# Altium PCB PCB_Emergencia.PcbDoc (continued)
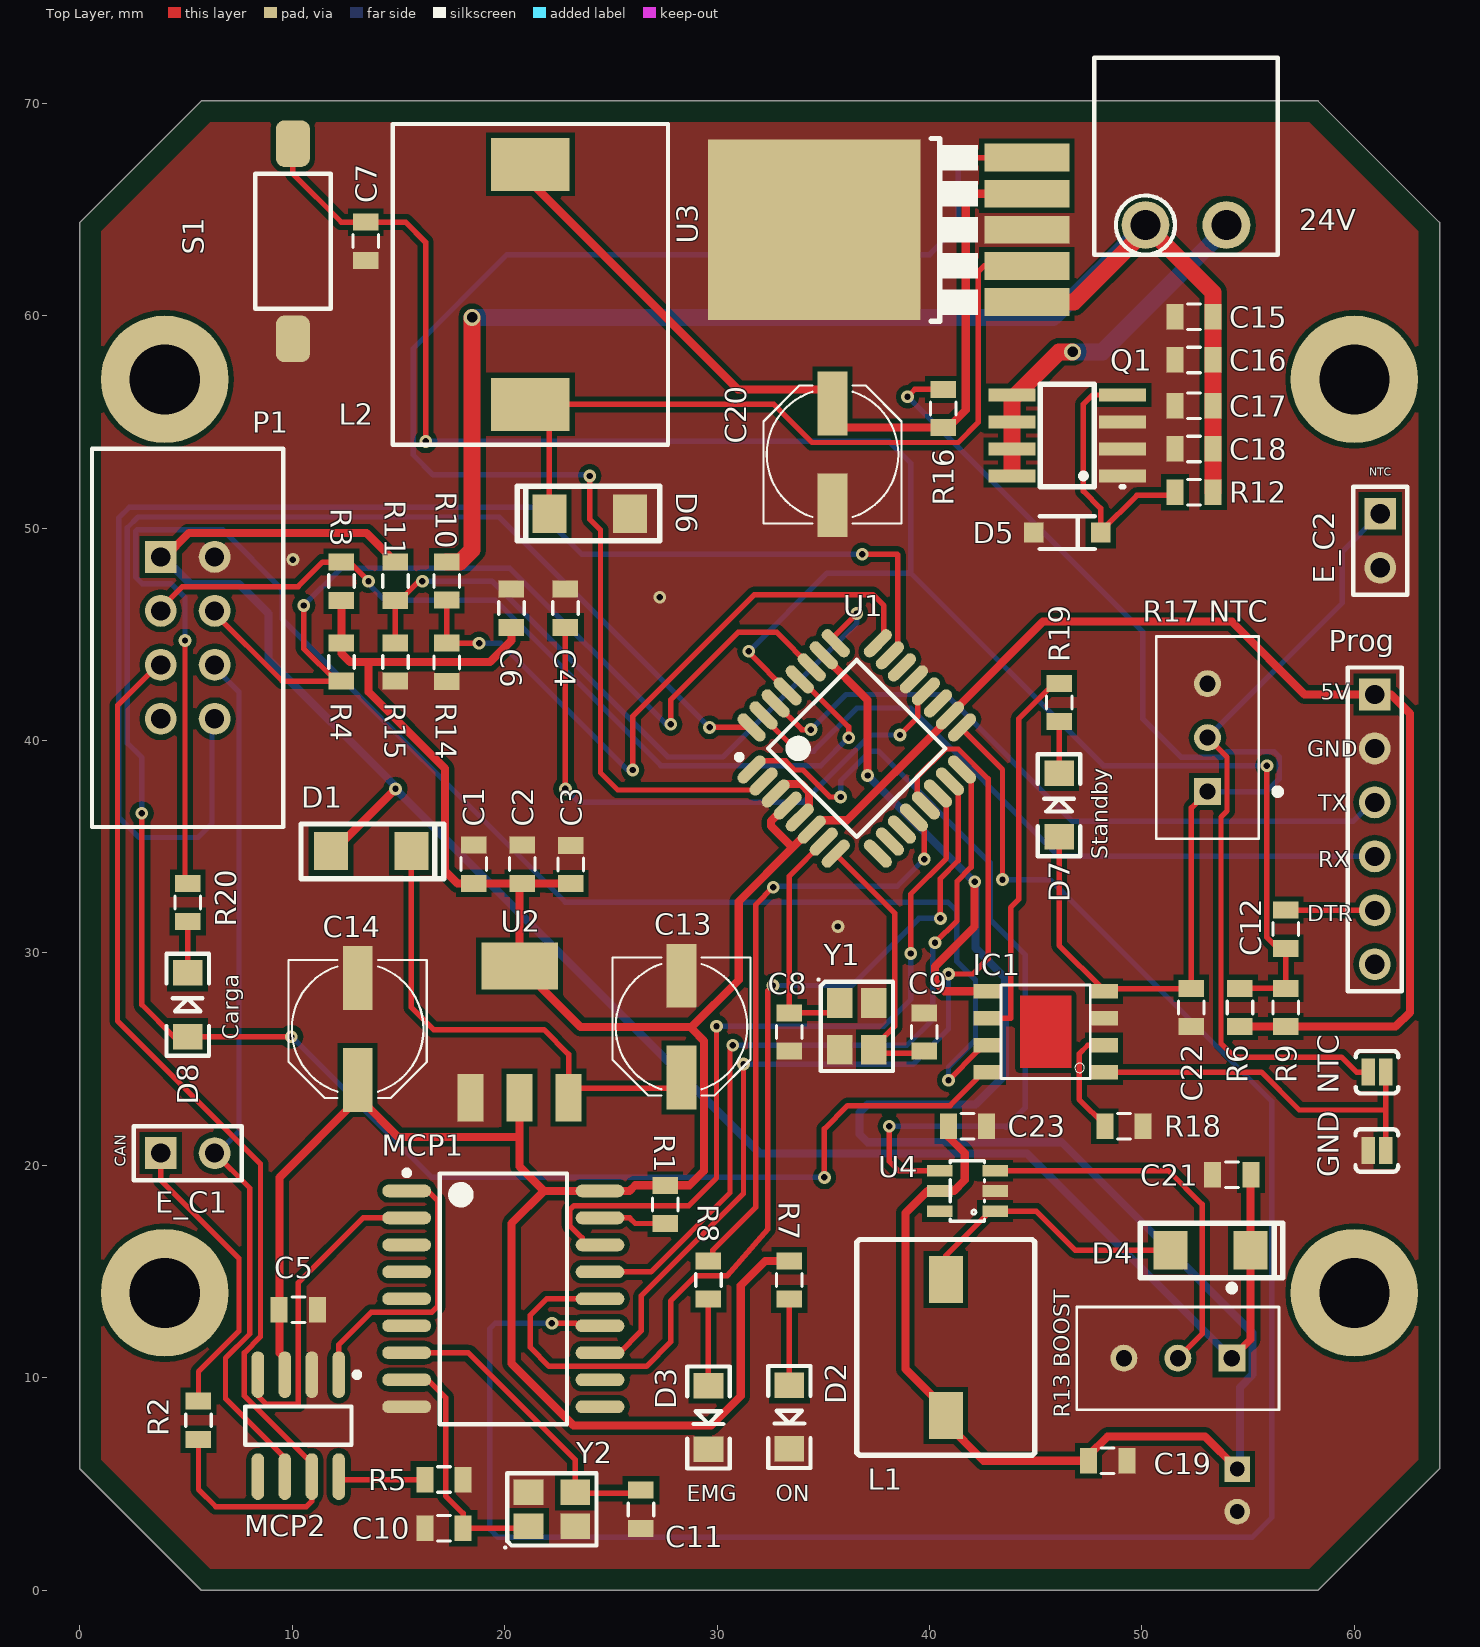
[diagram p0: Top Layer view]
## Footprints (in the part's own frame and the unit in brackets; to place one, negate y for a bottom-side part, rotate by r counter-clockwise, add the part's x,y. Pads: shape width x height; smd on the part's side, far side on the other; paste and mask are expansions set on the pad) (continued)
  silkscreen extent -8.9,-4.5 8.9,4.5, body extent -8.89,-4.45 8.89,4.76, height 9.01
LED-1206 [mm]
  rect 1.2x1.4 smd: A(-1.5,0) C(1.5,0)
  silkscreen extent -2.4,-1 2.4,1, body extent -1.6,-0.8 1.6,0.8, height 1.11
LM2596S [mm]
  rect 1.31x4 smd: 1(-3.4,-10) 2(-1.7,-10) 3(0,-10) 4(1.7,-10) 5(3.4,-10)
  rect 8.5x10 smd: 6(0,0)
  silkscreen extent -4.3,-7.7 4.3,-5.5, body extent -5.37,-11.74 5.3,4.14, height 4.57
"NDK NX3225SA" [mm] "Crystal, 4-Leads, Body 2.50x3.20mm, Pitch 2.20mm, IPC Medium Density"
  rect 1.4x1.2 smd: 1(-1.1,-0.8) 2(1.1,-0.8) 3(1.1,0.8) 4(-1.1,0.8)
  silkscreen extent -2.25,-1.85 2.1,1.7, body extent -1.61,-1.26 1.61,1.26, height 0.6
PAD-JUMPER-2-NC_BY_PASTE_YES_SILK [mm]
  rect 0.635x1.27 smd: 1(-0.401,0) 2(0.413,0)
  silkscreen extent -1,-1 1,1
PANASONIC_D [mm]
  rect 3x1.4 smd: +(2.4,0) -(-2.4,0)
  silkscreen extent -3.25,-3.25 3.25,3.25, body extent -3.5,-3.3 3.5,3.3, height 5.4
"SMMS1360 - duplicate" [mm]
  rect 2.5x3.7 smd: PS1(-5.65,0) PS2(5.65,0)
  silkscreen extent -7.55,-6.48 7.55,6.48, body extent -6.67,-5.71 6.67,5.72, height 7
SO-08 [mm]
  rect 0.6x2.2 smd: 1(-1.905,-2.6) 2(-0.635,-2.6) 3(0.635,-2.6) 4(1.905,-2.6) 5(1.905,2.6) 6(0.635,2.6) 7(-0.635,2.6) 8(-1.905,2.6)
  silkscreen extent -2.41,-2.67 2.41,1.27, body extent -2.45,-3 2.45,3, height 1.75
SOD-123 [mm]
  rect 0.9x0.95 smd: A(1.575,0) C(-1.575,0)
  silkscreen extent -1.3,-0.77 1.3,0.77, body extent -1.93,-0.86 1.92,0.84, height 1.46
SOIC-SN8_N [mm] "SOIC, 8-Leads, Body 4.9x3.8mm, Pitch 1.27mm, IPC Medium Density"
  oval 2.2x0.6 smd: 1(-2.4,1.905) 2(-2.4,0.635) 3(-2.4,-0.635) 4(-2.4,-1.905) 5(2.4,-1.905) 6(2.4,-0.635) 7(2.4,0.635) 8(2.4,1.905)
  silkscreen extent -2.52,-2.5 0.9,2.88, body extent -3,-2.45 3,2.45, height 1.75
SOIC-SO18_N [mm] "SOIC, 18-Leads, Body 11.5x7.5mm, Pitch 1.27mm, IPC Medium Density"
  oval 2.3x0.6 smd: 1(-4.55,5.08) 2(-4.55,3.81) 3(-4.55,2.54) 4(-4.55,1.27) 5(-4.55,0) 6(-4.55,-1.27) 7(-4.55,-2.54) 8(-4.55,-3.81) 9(-4.55,-5.08) 10(4.55,-5.08) 11(4.55,-3.81) 12(4.55,-2.54) 13(4.55,-1.27) 14(4.55,0) 15(4.55,1.27) 16(4.55,2.54) 17(4.55,3.81) 18(4.55,5.08)
  silkscreen extent -4.67,-5.9 3,6.05, body extent -5.15,-5.77 5.15,5.76, height 2.65
SOT223 [mil]
  rect 48x88 smd: 1(-91,-122) 2(0,-122) 3(91,-122)
  rect 141.73x86.61 smd: 4(0,122.01)
  body extent -128,-136 128,136, height 63
SS26FL [mil]
  rect 63x71 smd: A(74.5,0) C(-74.5,0)
  silkscreen extent -134,-50 130,51, body extent -104,-50 104,50, height 39
"TE FSMSMTR" [mm]
  rrect50% 1.6x2.19 smd: 1(0,4.595) 2(0,-4.595)
  silkscreen extent -1.78,-3.17 1.78,3.17, body extent -1.75,-4.98 1.75,4.98, height 4.42

## Part data
24V: "TERM BLOCK HDR 2POS R/A 3.81MM", Colour=Green, Manufacturer=FCI, Supplier Part Number 1=609-3819-ND, TemperatureRange="-40C ~ 115C", Voltage=300V, ComponentLink1Description=Datasheet, ComponentLink1URL=http://portal.fciconnect.com/Comergent//fci/drawing/20020110.pdf, ComponentLink2Description="Digi-Key Listing", ComponentLink2URL=http://www.digikey.ca/product-detail/en/20020110-D021A01LF/609-3819-ND/2261255, Number Of Levels=1, Number Of Positions=2, Orientation="90, Right Angle", PartId=7785, Part Number=20020110-D021A01LF, Pitch="0.150\" (3.81mm)", Positions Per Level=2, Price=0,75, Supplier 1=Digi-Key, Type="Through Hole"
C1 C2 C3 C4 C5 C6 C7 C8 C9 C10 C11 C12 C15 C16 C17 C18 C19 C21 C22 C23: library part CAP0805
  C1 C2 C3 C4 C5 C6 C12: Cap=100n
  C7 C8 C9 C10 C11: Cap=22p
  C15 C16 C17 C18 C22 C23: Cap=10u
  C19 C21: Cap=22u
C13 C14 C20: library part 47UF-50V-20%(ELECT), PROD_ID=CAP-10547
D2 D3 D7 D8: library part LED1206
D5: library part DIODE-ZENER16V, PROD_ID=DIO-12440
E_C1 E_C2: "Header, 2-Pin", LatestRevisionDate=17-Jul-2002, LatestRevisionNote="Re-released for DXP Platform.", Publisher="Altium Limited"
IC1: Package="Package Analog Devices", Availability=Unavailable, MF="NanJing Top Power ASIC Corp.", MP=TP4056, Price=None, SnapEDA_Link=https://www.snapeda.com/parts/TP4056%20/NanJing%20Top%20Power%20ASIC%20Corp./view-part/?ref=snap
J1: library part S2B-PH-K-S(LF)(SN), "PH Series 2 Position 2.0 mm Through Hole Side Entry Shrouded Header", Package=None, Availability=Unavailable, MF="JST Sales", MP=S2B-PH-K-S_LF__SN_, Price=None, SnapEDA_Link=https://www.snapeda.com/parts/S2B-PH-K-S%28LF%29%28SN%29/JST%20Sales%20America%20Inc./view-part/?ref=snap
L2: library part INDUCTOR
MCP1: "Stand-Alone CAN Controller With SPI Interface, 18-Pin SOIC, Industrial Temperature, Tape and Reel", Supplier Part Number 1=MCP2515T-I/SO-ND, Code_JEDEC=MS-013, ComponentLink1Description=Datasheet, ComponentLink1URL=http://ww1.microchip.com/downloads/en/DeviceDoc/21801e.pdf, ComponentLink2Description="Packaging Specification", ComponentLink2URL=http://www.microchip.com/stellent/groups/techpub_sg/documents/packagingspec/en012702.pdf, ComponentLink3Description="Microchip.com Home", ComponentLink3URL=http://www.microchip.com/, DatasheetVersion="revE, Nov-2007", PackageDescription="18-Lead Plastic Small Outline (SO) - Wide 7.50mm Body [SOIC]", PackageReference=SOIC-SO18, PackageVersion="revBB, Aug-2009", Published=29-Jan-2009, Publisher="Altium Limited", Supplier 1=Digi-Key, Supplier 2=Farnell, Supplier Part Number 2=1815922
MCP2: "High-Speed CAN Transceiver, 8-Pin SOIC, Industrial Temperature, Tape and Reel", Supplier Part Number 1=MCP2551T-I/SNTR-ND, Code_IPC=SOIC127P600-8, Code_JEDEC=MS-012, ComponentLink1Description=Datasheet, ComponentLink1URL=http://ww1.microchip.com/downloads/en/DeviceDoc/21667E.pdf, ComponentLink2Description="Packaging Specification", ComponentLink2URL=http://www.microchip.com/stellent/groups/techpub_sg/documents/packagingspec/en012702.pdf, ComponentLink3Description="Microchip.com Home", ComponentLink3URL=http://www.microchip.com/, DatasheetVersion="revE, Jan-2007", PackageDescription="8-Lead Plastic Small Outline (SN) - Narrow, 3.90mm Body [SOIC]", PackageReference=SOIC-SN8, PackageVersion="revBB, Aug-2009", Published=29-Jan-2009, Publisher="Altium Limited", Supplier 1=Digi-Key, Supplier 2=Farnell, Supplier Part Number 2=1788569
P1: "Header, 4-Pin, Dual row", LatestRevisionDate=17-Jul-2002, LatestRevisionNote="Re-released for DXP Platform.", Publisher="Altium Limited"
Prog: "Header, 6-Pin", LatestRevisionDate=17-Jul-2002, LatestRevisionNote="Re-released for DXP Platform.", Publisher="Altium Limited"
Q1: library part N-MOSFET-SO8S
R1 R2 R3 R4 R5 R6 R7 R8 R9 R10 R11 R12 R14 R15 R16 R18 R19 R20: library part RESISTOR0805-RES
  R1 R6 R9 R14 R15: Res=10K
  R2: Res=124
  R3 R4: Res=0
  R5: Res=4.7K
  R7 R8 R19 R20: Res=560
  R10: Res=47K
  R11: Res=10k
  R16: Res=0.4
  R18: Res=1.2K
S1: "SWITCH TACTILE SPST-NO 0.05A 24V", Contact Rating @ Voltage="0.05A @ 24VDC", Illumination Type, Colour=-, Manufacturer="TE Connectivity Alcoswitch Switches", Operating Force=180gf, Operating Temperature="-35C ~ 85C", Supplier Part Number 1=450-1758-2-ND, Actuator Orientation="Top Actuated", Actuator Type=Standard, Circuit=SPST-NO, ComponentLink1Description=Datasheet, ComponentLink1URL=http://www.te.com/commerce/DocumentDelivery/DDEController?Action=srchrtrv&DocNm=1437566-3&DocType=Customer+Drawing&DocLang=English, ComponentLink2Description="Digi-Key Listing", ComponentLink2URL=http://www.digikey.com/product-detail/en/FSMSMTR/450-1758-2-ND/529671, Illumination=Non-Illuminated, Illumination Voltage=-, Mechanical Life="20,000 Cycles", PartId=8251, Part Number=FSMSMTR, Price=0,175, Supplier 1=Digi-Key, Switch Function=Off-Mom, Switch Travel=0.25mm
U1: "8-bit AVR Microcontroller, 32KB Flash, 1KB EEPROM, 2KB SRAM, 32-pin TQFP, Industrial Grade (-40°C to 85°C)", Supplier Part Number 1=ATMEGA328-AU-ND, Code_JEDEC=MS-026-ABA, ComponentLink1Description="Manufacturer Link", ComponentLink1URL=http://www.atmel.com/products/avr/default.asp?, ComponentLink2Description="ATmega48A/48PA/88A/88PA/168A/168PA/328/328P Datasheet", ComponentLink2URL=http://www.atmel.com/dyn/resources/prod_documents/8271.pdf, ComponentLink3Description="ATmega48A/48PA/88A/88PA/168A/168PA/328/328P Summary", ComponentLink3URL=http://www.atmel.com/dyn/resources/prod_documents/8271S.pdf, ComponentLink4Description="Atmel.com Home", ComponentLink4URL=http://www.atmel.com, DatasheetVersion="revA, Jan-2010", PackageDescription="32-Lead, 7x7x1.0 mm Body, 0.8mm Lead Pitch, Thin Profile Plastic Quad Flat Package (TQFP)", PackageReference=32A, PackageVersion="revB, Oct-2001", Published=1-Apr-2010, Publisher="Altium Limited", Supplier 1=Digi-Key, Supplier 2=Mouser, Supplier Part Number 2=556-ATMEGA328-AU
U2: library part V_REG_LM1117SOT223, PROD_ID=VREG-08170
U3: "Semiconductors and Actives", Package=None, Availability=Unavailable, MF="Texas Instruments", MP=LM2596S, Price=None, SnapEDA_Link=https://www.snapeda.com/parts/LM2596S/Texas%20Instruments/view-part/?ref=snap
U4: "High Efficiency 1.2MHz / 2A Step Up Converter", Package="Package Analog Devices", Availability=Unavailable, MF="Aerosemi Technology Co., Ltd", MP=MT3608, Price=None, SnapEDA_Link=https://www.snapeda.com/parts/MT3608/Aerosemi%20Technology%20Co.%2C%20Ltd/view-part/?ref=snap
Y1 Y2: library part NX3225SA-16.000MHZ-STD-CSR-1, "CRYSTAL 16.0000MHZ 8PF SMD", Device Package="4-SMD, No Lead (DFN, LCC)", Frequency Stability=15ppm, Load Capacitance=8pF, Manufacturer=NDK, Operating Mode=Fundamental, Supplier Part Number 1=644-1049-2-ND, ComponentLink1Description=Datasheet, ComponentLink1URL=http://media.digikey.com/pdf/Data%20Sheets/NDK%20PDFs/NX3225SA.pdf, ComponentLink2Description="Digi-Key Listing", ComponentLink2URL=http://www.digikey.com/product-detail/en/NX3225SA-16.000MHZ-STD-CSR-1/644-1049-2-ND/1128831, ESR="80 Ohm", Frequency=16MHz, Frequency Tolerance=15ppm, PartId=8509, Part Number=NX3225SA-16.000MHZ-STD-CSR-1, Price=0,3799, Supplier 1=Digi-Key, Type="MHz Crystal"
D1 D4 D6: PROD_ID=SS26FL

## Free pads (board coordinates)
  round 6 hole 3.3: 1(4,57) 2(60,57) 3(4,14) 4(60,14)

## Via types
v1: diameter 0.6, hole 0.3, Top Layer to Bottom Layer, 45 vias
v2: diameter 0.8, hole 0.5, Top Layer to Bottom Layer, 2 vias

## Nets (pads, with @x,y where several pads share a name; then routed paths per layer and width w, separated by ;. In a path a pad name is that pad's centre, name@x,y a point inside that pad or via, vN(x,y) a via of type N, cw(c..) or ccw(c..) an arc to the next point about the centre after c; other vN are vias at no path point)
5V: C1.2 C2.2 C3.2 C5.2 C6.2 C14.+ MCP1.18 MCP2.3 Prog.1 R1.1 R3.2 R4.2 R6.2 R7.2 R9.1 U1.4 U1.6 U1.18 U2.2 U2.4 | length 185.3
  Top Layer w0.381: MCP2.3@9.652,10.922 9.398,11.176 9.398,19.431 13.081,23.114 13.208,23.114 14.986,21.336 20.701,21.336 ; R3.2 R4.2 12.319,44.094 12.725,43.688 13.589,43.688 ; C14.+@13.081,23.241 C14.+ ; C6.2 20.32,44.704 19.304,43.688 13.589,43.688 ; U2.2 20.701,21.336 ; C3.2 21.957,33.263 21.946,33.274 C2.2 C2.2@20.701,33.274 ; 28.829,26.416 29.388,25.857 29.388,19.743 28.706,19.061 R1.1 26.148,19.061 25.883,18.796 MCP1.18 23.266,18.796 21.844,18.796 ; U1.4 33.254,36.937 32.533,36.216 32.533,35.966 33.545,34.954 ; R7.2 32.269,15.505 31.115,14.351 31.115,9.136 29.726,7.747 23.241,7.747 20.32,10.668 20.32,17.272 21.844,18.796 ; U1.18@40.513,40.64 36.119,36.246 34.976,36.246 34.536,35.806 U1.6 ; U1.18@40.926,41.18 U1.18 41.309,41.529 41.309,41.563 45.339,45.593 54.229,45.593 57.658,42.164 Prog.1 61.722,42.164 62.611,41.275 62.611,27.203 61.94,26.532 R9.1 R6.2 ; 13.589,43.688 13.589,42.291 17.196,38.684 17.196,33.858 17.78,33.274 C1.2 C2.2@20.701,33.274 ; 20.701,21.336 20.701,19.939 21.844,18.796 ; C2.2@20.701,33.274 U2.4 23.571,26.518 28.804,26.518 31.019,28.733 31.019,32.428 33.545,34.954 ; 33.545,34.954 U1.6@33.955,35.365 ; U1.6@33.955,35.365 34.095,35.365 34.455,35.725 U1.6 ; U1.6@33.955,35.365 34.396,35.806 U1.6
5VBUCK: C20.+ L2.PS2 R16.2 U3.4 | length 40.1
  Top Layer w0.381: L2.PS2 21.209,66.294 30.988,56.515 35.433,56.515 C20.+ 35.433,55.118 35.825,54.726 R16.2 40.883,54.726 41.707,55.55 41.707,65.28 42.164,65.737 U3.4
9V: "R13 BOOST.1" C21.1 D1.A D4.C P1.1 R11.2 | length 93.1
  Top Layer w0.381: P1.1@3.683,48.641 P1.1 4.013,48.641 5.131,49.759 13.498,49.759 R11.2 ; D1.A 11.938,34.798 v1(14.859,37.719) ; 54.229,10.922 55.118,11.811 D4.C 55.118,19.547 C21.1
  Bottom Layer w0.381: P1.1@3.302,48.514 P1.1@3.302,48.641 ; P1.1@3.683,48.641 P1.1 3.937,48.641 5.207,47.371 7.493,47.371 8.89,45.974 8.89,43.815 14.859,37.846 v1(14.859,37.719) 32.022,20.556 44.595,20.556 54.229,10.922
24V: 24V.1 C15.2 C16.2 C17.2 C18.2 R10.2 R12.2 U3.1 | length 67
  Top Layer w0.8: R10.2 17.903,48.409 18.466,48.971 v2(18.466,59.919) ; U3.1 46.794,60.637 50.165,64.008 24V.1 53.34,61.087 ; R12.2 C18.2 C17.2 C16.2 C15.2 53.351,61.087
  Bottom Layer w0.8: v2(18.466,59.919) 45.822,59.919 24V.1
AREF: C4.2 U1.20 | length 27.4
  Top Layer w0.254: v1(22.86,37.719) C4.2 ; v1@38.7,40.351 39.451,41.102 39.451,41.864 39.829,42.242 U1.20
  Bottom Layer w0.254: v1(22.86,37.719) 23.495,37.084 34.036,37.084 37.211,40.259 v1(38.608,40.259)
BAT: C19.1 C23.1 IC1.5 J1.1 L1.1 U1.26 U4.5 | length 101.8
  Top Layer w0.381: U1.26 35.02,43.974 37.084,41.91 v1(37.084,38.354) ; C23.1 40.883,21.347 41.656,20.574 41.656,19.304 41.148,18.796 U4.5 39.903,18.796 38.862,17.755 38.862,10.414 40.767,8.509 L1.1 40.767,7.874 42.545,6.096 C19.1 47.487,6.339 48.387,7.239 52.959,7.239 54.483,5.715 J1.1 ; v1(42.126,33.347) 42.126,31.236 40.251,29.362 40.251,28.651 40.709,28.194 IC1.5
  Bottom Layer w0.381: v1@37.084,38.379 v1(37.084,38.354) 42.091,33.347 v1(42.126,33.347) ; 39.624,22.86 37.084,22.86 36.703,22.479 36.703,21.463 37.077,21.089 46.221,21.089 55.206,12.104 55.206,10.146 54.61,9.551 54.61,5.699 J1.1 ; 39.642,22.86 42.164,22.86 43.561,24.257 43.561,28.829 42.164,30.226 v1@42.164,33.299
C_CS: MCP1.16 U1.14 | length 37.6
  Top Layer w0.254: MCP1.16 23.647,16.256 23.647,16.586 23.06,17.174 23.06,17.899 23.266,18.105 28.671,18.105 29.972,19.406 v1(29.972,26.543) ; v1(39.116,29.972) 39.116,32.766 40.792,34.442 40.792,37.105 U1.14
  Bottom Layer w0.254: v1(29.972,26.543) 37.831,26.543 37.839,26.536 39.116,27.813 v1(39.116,29.972)
CANH: MCP2.7 P1.5 R2.1 | length 52.7
  Top Layer w0.254: P1.5@3.683,43.561 1.778,41.656 1.778,26.797 8.509,20.066 8.509,11.938 7.747,11.176 7.747,9.144 10.922,5.969 MCP2.7 10.922,4.191 10.668,3.937 6.401,3.937 5.588,4.75 R2.1
CANL: E_C1.2 MCP2.6 P1.6 | length 41.9
  Top Layer w0.254: E_C1.2 8.001,18.923 8.001,12.065 6.858,10.922 6.858,9.017 9.652,6.223 MCP2.6
  Bottom Layer w0.254: P1.6@5.842,43.434 P1.6@6.223,43.434 ; P1.6@6.223,43.561 7.493,42.291 7.493,21.59 E_C1.2@6.477,20.574
CTAL1: C10.2 MCP1.8 Y2.1 | length 11.8
  Top Layer w0.254: MCP1.8 16.383,9.906 17.221,9.068 17.221,4.445 18.045,3.621 C10.2 21.036,2.921 Y2.1
CTAL2: C11.1 MCP1.7 Y2.3 | length 14.7
  Top Layer w0.254: MCP1.7 18.288,11.176 23.325,6.139 Y2.3 23.363,4.572 26.278,4.572 C11.1
EMG_9: R11.1 R15.2 U1.25 | length 32.2
  Top Layer w0.254: R15.2 R11.1 15.062,46.598 15.962,47.498 v1(16.129,47.498) ; U1.25@35.433,44.831 v1(36.576,45.974)
  Bottom Layer w0.254: v1(16.129,47.498) 19.406,47.498 27.681,39.222 30.27,39.222 36.576,45.528 v1(36.576,45.974)
EMG_24: R10.1 R14.2 U1.24 | length 31.8
  Top Layer w0.254: R14.2 R10.1 ; R14.2@17.526,44.577 v1(18.796,44.577) ; v1(26.035,38.608) 26.035,41.148 31.75,46.863 37.338,46.863 37.846,46.355 37.846,44.854 U1.24
  Bottom Layer w0.254: v1(18.796,44.577) 19.812,44.577 25.781,38.608 v1(26.035,38.608)
EN_BOOST: U1.1 U4.4 | length 38.9
  Top Layer w0.254: U1.1 32.032,39.04 33.223,39.04 33.655,38.608 34.036,38.608 35.306,37.338 v1(35.814,37.338) ; v1(38.1,21.844) 38.1,20.193 38.547,19.746 U4.4
  Bottom Layer w0.254: v1(35.814,37.338) 35.814,38.1 37.211,39.497 37.592,39.497 42.85,34.239 42.85,31.572 44.501,29.921 44.501,22.705 43.589,21.793 43.538,21.844 v1(38.1,21.844)
EN_BUCK: U1.2 U3.5 | length 70.6
  Top Layer w0.254: v1(24.003,52.451) 24.003,50.419 24.511,49.911 24.511,38.481 25.324,37.668 31.792,37.668 U1.2 ; v1(41.351,67.437) U3.5
  Bottom Layer w0.254: v1(24.003,52.451) 24.003,52.476 24.028,52.502 16.637,52.502 15.697,53.442 15.697,58.445 20.117,62.865 40.005,62.865 41.351,64.211 v1(41.351,67.437)
EN_CARGA: D8.A IC1.8 U1.32 | length 103.5
  Top Layer w0.254: v1(2.921,36.576) 2.921,27.559 4.421,26.059 D8.A v1(9.958,26.059) ; v1(29.647,40.614) U1.32 ; v1(35.052,19.431) 35.052,21.717 36.144,22.809 40.97,22.809 42.545,24.384 IC1.8 IC1.8@43.18,24.384
  Bottom Layer w0.254: v1(2.921,36.576) 2.921,39.192 2.235,39.878 2.235,50.013 2.743,50.521 19.74,50.521 v1(29.647,40.614) ; v1(9.958,26.059) 16.586,19.431 v1(35.052,19.431)
GND: "R13 BOOST.3" "R17 NTC.3" C1.1 C2.1 C3.1 C4.1 C5.1 C6.1 C7.1 C8.1 C9.2 C10.1 C11.2 C13.- C14.- C15.1 C16.1 C17.1 C18.1 C19.2 C20.- C21.2 C22.2 C23.2 D2.C D3.C D5.A D6.A E_C2.2 GND.1 IC1.3 J1.2 MCP1.9 MCP2.2 P1.2 Prog.2 Q1.1 Q1.2 Q1.3 R5.1 R14.1 R15.1 R18.1 S1.2 U1.3 U1.5 U1.21 U2.1 U3.3 U3.6 U4.2 Y1.2 Y1.4 Y2.2 Y2.4 | length 2.8
  Top Layer w0.381: U1.3@33.126,37.825 33.244,37.943 33.968,37.943 34.33,37.582 34.33,36.743 33.958,36.371 U1.5
  other v1: 35.687,31.242 27.305,46.736 10.033,48.514
GNDC: 24V.2 Q1.5 Q1.6 Q1.7 Q1.8 | length 17
  Top Layer w0.8: Q1.8@43.882,52.638 Q1.7 Q1.6 43.882,56.074 46.101,58.293 v2(46.736,58.293)
  Bottom Layer w0.8: v2(46.736,58.293) 48.133,58.293 53.975,64.135 24V.2
INT: MCP1.12 U1.13 | length 45.5
  Top Layer w0.254: MCP1.12@25.4,11.176 26.426,12.202 26.426,13.853 31.242,18.669 v1(31.242,24.765) ; U1.13 39.421,37.345 39.421,38.278 40.742,39.599 41.351,39.599 42.759,38.19 42.759,29.729 42.037,29.007 v1(40.894,29.007)
  Bottom Layer w0.254: v1(31.242,24.765) 39.243,24.765 40.894,26.416 v1(40.894,29.007)
LED1: R8.2 U1.12 | length 28.8
  Top Layer w0.254: R8.2 29.794,15.505 29.794,16.002 31.821,18.029 31.821,32.279 v1(32.639,33.096) ; U1.12 39.751,35.883 v1(39.751,34.417)
  Bottom Layer w0.254: v1(32.639,33.096) 32.69,33.147 38.481,33.147 v1(39.751,34.417)
MISO: MCP1.15 U1.16 | length 37.5
  Top Layer w0.254: MCP1.15 26.883,14.986 30.607,18.71 30.607,25.73 30.683,25.654 v1(30.734,25.654) ; v1(40.259,30.48) 41.291,31.512 41.291,33.366 41.961,34.036 41.961,38.176 41.526,38.611 U1.16
  Bottom Layer w0.254: v1(30.734,25.654) 38.938,25.654 40.157,26.873 40.157,30.378 v1(40.259,30.48)
MOSI: MCP1.14 U1.15 | length 48.3
  Top Layer w0.254: MCP1.14 21.971,13.716 21.209,12.954 21.209,11.43 22.098,10.541 26.67,10.541 27.813,11.684 27.813,13.614 29.007,14.808 30.48,14.808 32.385,16.99 32.385,28.219 v1(32.634,28.468) ; v1(40.513,31.623) 40.513,33.502 41.351,34.34 41.351,37.677 U1.15
  Bottom Layer w0.254: v1(32.634,28.468) 36.342,28.468 39.497,31.623 v1(40.513,31.623)
NetC12_1: C12.1 Prog.5 | length 4.2
  Top Layer w0.254: C12.1 59.233,32.015 59.244,32.004 Prog.5
NetC13_+: C13.+ D1.C U2.3 | length 23.2
  Top Layer w0.254: D1.C 15.608,27.432 16.65,26.391 21.844,26.391 23.012,25.222 U2.3@23.012,23.647 ; U2.3 U2.3@23.012,23.647 ; C13.+ 27.813,23.622 23.038,23.622 U2.3@23.012,23.647
NetC22_1: "R17 NTC.1" C22.1 D7.A IC1.4 R16.1 | length 55.3
  Top Layer w0.254: v1(38.964,56.185) 39.305,56.526 R16.1 ; D7.A 46.101,30.353 IC1.4@48.133,28.321 ; IC1.4@48.238,28.216 48.343,28.321 52.313,28.321 C22.1 52.324,36.83 53.086,37.592
  Bottom Layer w0.254: v1(38.964,56.185) 50.038,45.11 50.038,41.021 51.84,39.219 53.748,39.219 54,39.472 56.21,39.472 56.464,39.218 56.464,38.202 55.855,37.592 53.086,37.592
NetD2_A: D2.A R7.1 | length 4.1
  Top Layer w0.254: D2.A R7.1
NetD3_A: D3.A R8.1 | length 4.1
  Top Layer w0.254: D3.A R8.1
NetD4_A: D4.A L1.2 U4.1 | length 13.3
  Top Layer w0.254: L1.2 40.767,15.748 42.865,17.846 U4.1 45.019,17.846 46.863,16.002 D4.A
NetD5_C: D5.C Q1.4 R12.1 | length 12.8
  Top Layer w0.254: D5.C D5.C@48.057,49.835 ; Q1.4 47.676,56.261 47.244,55.829 47.244,51.74 48.057,50.927 D5.C@48.057,49.835 ; R12.1 51.551,51.537 49.759,51.537 D5.C@48.057,49.835
NetD6_C: D6.C L2.PS1 U3.2 | length 37.2
  Top Layer w0.254: D6.C 22.098,50.686 22.098,54.929 L2.PS1 32.676,55.818 34.468,54.026 41.351,54.026 42.291,54.966 42.291,62.058 42.57,62.337 U3.2
NetD7_C: D7.C R19.2 | length 1.5
  Top Layer w0.254: D7.C@46.101,38.978 R19.2@46.101,40.513
NetD8_C: D8.C R20.2 | length 2.4
  Top Layer w0.254: D8.C R20.2
NetE_C1_1: E_C1.1 R2.2 | length 14
  Top Layer w0.254: E_C1.1 3.81,19.304 7.493,15.621 7.493,12.192 5.588,10.287 R2.2
NetE_C2_1: "R17 NTC.2" E_C2.1 NTC.2 | length 36.3
  Top Layer w0.254: 53.086,40.132 54,39.218 54,36.678 53.721,36.398 53.721,25.73 54.356,25.095 59.385,25.095 60.096,24.384 NTC.2
  Bottom Layer w0.254: 53.086,40.132 59.436,46.482 59.436,48.895 E_C2.1
NetIC1_1: GND.2 IC1.1 NTC.1 | length 17.3
  Top Layer w0.254: IC1.1 55.626,24.384 57.404,22.606 61.341,22.606 ; GND.2 NTC.1@61.468,24.13
NetIC1_2: IC1.2 R18.2 | length 5.2
  Top Layer w0.254: IC1.2 47.447,25.654 47.041,25.248 47.041,23.103 48.249,21.895 R18.2
NetIC1_6: IC1.6 R19.1 | length 17.8
  Top Layer w0.254: IC1.6 43.815,26.924 43.815,32.131 44.196,32.512 44.196,41.021 45.72,42.545 R19.1@45.974,42.545
NetIC1_7: IC1.7 R20.1 | length 76.3
  Top Layer w0.254: v1(4.953,44.704) 4.953,33.401 R20.1 ; v1(40.894,24.003) 42.291,25.4 IC1.7@42.291,25.527
  Bottom Layer w0.254: v1(4.953,44.704) 4.953,46.736 4.318,47.371 2.946,47.371 2.642,47.676 2.642,49.845 2.708,49.911 6.731,49.911 9.525,47.117 9.525,45.72 22.86,32.385 40.863,32.385 41.286,31.962 41.286,29.605 42.164,28.727 42.164,25.908 40.894,24.638 v1(40.894,24.003)
NetMCP1_1: MCP1.1 MCP2.1 | length 13.4
  Top Layer w0.254: MCP2.1 12.192,11.557 13.716,13.081 16.561,13.081 16.84,13.36 16.84,18.339 16.383,18.796 MCP1.1
NetMCP1_2: MCP1.2 MCP2.4 | length 15.1
  Top Layer w0.254: MCP2.4 8.382,9.144 8.763,8.763 10.287,8.763 10.287,14.478 13.335,17.526 MCP1.2
NetMCP1_17: MCP1.17 R1.2 | length 3.2
  Top Layer w0.254: MCP1.17 25.883,17.526 26.148,17.261 R1.2
NetMCP2_8: MCP2.8 R5.2 | length 4.1
  Top Layer w0.254: MCP2.8 12.192,5.334 12.319,5.207 R5.2
NetR13_2: "R13 BOOST.2" U4.3 | length 18.1
  Top Layer w0.254: U4.3 51.247,19.746 52.832,18.161 52.832,12.065 51.689,10.922
RESET: C7.2 C12.2 R6.1 R9.2 S1.1 U1.29 | length 93.1
  Top Layer w0.254: S1.1 10.033,66.675 12.308,64.4 C7.2 15.331,64.4 ; v1(16.281,54.077) 16.281,63.449 ; v1(31.496,44.196) 31.496,44.138 U1.29 ; R6.1 R9.2@56.439,28.332 ; v1(55.88,38.813) 55.88,30.734 56.399,30.215 C12.2@56.439,30.215 ; R9.2 C12.2 ; 15.331,64.4 16.281,63.449 ; 15.331,64.4 15.342,64.4 16.281,63.46 16.281,63.449
  Bottom Layer w0.254: v1(16.281,54.077) 38.1,54.077 39.116,53.061 39.116,48.006 ; v1(31.496,44.196) 35.179,47.879 38.989,47.879 39.116,48.006 ; v1(55.88,38.813) 48.182,38.813 39.116,47.879 39.116,48.006
RXP: Prog.4 U1.31 | length 33.3
  Top Layer w0.254: U1.31 32.192,41.087 33.655,39.624 v1(33.655,39.497)
  Bottom Layer w0.254: v1(33.655,39.497) 34.544,39.497 36.576,41.529 39.116,41.529 46.101,34.544 Prog.4
SCK: MCP1.13 U1.17 | length 96.3
  Top Layer w0.254: v1(22.225,12.573) 23.339,12.573 MCP1.13@23.466,12.446 ; U1.17 41.526,40.542 43.434,38.633 v1(43.434,33.452) ; MCP1.13@23.466,12.446 23.466,12.374 23.505,12.335 MCP1.13@23.505,12.446 ; MCP1.13@23.466,12.446 23.466,12.518 23.508,12.56 23.622,12.446 MCP1.13@23.505,12.446 ; MCP1.13@23.466,12.446 MCP1.13@23.505,12.446
  Bottom Layer w0.254: v1(22.225,12.573) 19.558,12.573 19.304,12.319 19.304,2.87 19.685,2.489 55.169,2.489 56.109,3.429 56.109,23.012 45.669,33.452 v1(43.434,33.452)
SCL: P1.3 R3.1 U1.28 | length 41.8
  Top Layer w0.254: P1.3@3.683,46.101 4.826,47.244 10.276,47.244 11.43,48.398 R3.1 12.689,48.398 v1(13.589,47.498) ; U1.28 33.958,42.877 36.195,40.64 v1(36.195,40.132)
  Bottom Layer w0.254: v1(13.589,47.498) 13.589,47.371 14.351,46.609 19.558,46.609 27.351,38.816 34.879,38.816 v1(36.195,40.132)
SDA: P1.4 R4.1 U1.27 | length 42.2
  Top Layer w0.254: P1.4@6.223,46.101 9.536,42.788 R4.1@12.076,42.788 ; v1@10.541,46.101 10.541,44.323 R4.1@12.076,42.788 ; R4.1 R4.1@12.076,42.788 ; v1(27.813,40.767) 27.813,41.91 30.988,45.085 32.812,45.085 U1.27
  Bottom Layer w0.254: v1(10.541,46.355) 12.289,48.103 20.248,48.103 27.584,40.767 v1(27.813,40.767)
SOS: P1.8 U1.23 | length 66.8
  Top Layer w0.254: v1(36.83,48.768) 38.481,48.768 38.509,48.74 38.509,44.459 38.481,44.459 38.532,44.408 U1.23
  Bottom Layer w0.254: P1.8@6.223,41.021 6.223,36.093 5.563,35.433 2.794,35.433 1.829,36.398 1.829,50.47 2.337,50.978 21.412,50.978 23.622,48.768 v1(36.83,48.768)
TXP: Prog.3 U1.30 | length 32.2
  Top Layer w0.254: U1.30 33.99,40.513 v1(34.417,40.513)
  Bottom Layer w0.254: v1@34.432,40.62 v1(34.417,40.513) 36.068,42.164 40.767,42.164 46.736,36.195 59.944,36.195 60.579,36.83 Prog.3@60.96,36.83
XTAL1: C8.2 U1.7 Y1.1 | length 11.3
  Top Layer w0.254: U1.7 33.401,33.621 C8.2 35.311,27.178 Y1.1
XTAL2: C9.1 U1.8 Y1.3 | length 13.3
  Top Layer w0.254: U1.8 35.56,34.7 35.56,34.671 38.354,31.877 38.354,26.543 37.441,25.63 Y1.3 37.546,25.273 39.646,25.273 C9.1
pads on no net: MCP1.3 MCP1.4 MCP1.5 MCP1.6 MCP1.10 MCP1.11 MCP2.5 P1.7 Prog.6 U1.9 U1.10 U1.11 U1.19 U1.22 U4.6

## Polygon pours and split planes (outlines as drawn)
GND on Bottom Layer "GND BOTTOM PLANE" (solid, pour order 18): -0.254,0 64.008,0 64.008,70.104 -0.254,70.104
GND on Top Layer "GND TOP PLANE" (solid, pour order 20): -0.254,0 64.516,0 64.516,70.485 -0.254,70.485

## Silkscreen, mask and mechanical layers (free items; w line width, h text height)
Top Overlay:
  text "NTC" at 60.706,52.451 h0.38
  text "5V" at 58.42,41.91 h0.76
  text "GND" at 57.785,39.243 h0.76
  text "TX" at 58.293,36.703 h0.76
  text "Standby" at 48.387,34.417 h0.76 r90
  text "RX" at 58.293,34.036 h0.76
  text "DTR" at 57.785,31.496 h0.76
  text "Carga" at 7.493,25.908 h0.76 r90
  text "CAN" at 2.159,19.939 h0.51 r90
  text "EMG" at 28.575,4.191 h0.76
  text "ON" at 32.766,4.191 h0.76
Bottom Overlay:
  drawing of 93 lines, arcs and shapes, not listed
  text "CENTRE FOR AUTOMATION AND ROBOTICS" at 51.054,42.545 h2.5
  text "PCB EMERGENCIA - MACH  1" at 47.625,10.033 h3.5
  text "TFG - DAVID MÁRQUEZ ALCOLEA" at 43.307,2.413 h2
Mechanical 2:
  the board outline again, w0.254

## Text inside footprints (layer, text, board x,y; h text height)
P1: Bottom Overlay "1" at 3.302,50.419 h1 r270; Bottom Overlay "2" at 5.842,50.165 h1 r270; Bottom Overlay "7" at 3.302,38.608 h1 r270; Bottom Overlay "8" at 5.715,38.608 h1 r270